# Altium PCB ISS_LAB_PCB.PcbDoc (part 3 of 8)
Units mm, origin at the board's own origin, x right, y up, seen from the top; angles counter-clockwise.
Board outline 247.67 x 135.97 mm, 2 copper layers (Top Layer, Bottom Layer); 165 components, 0 nets, 6045 pads, 3214 vias.
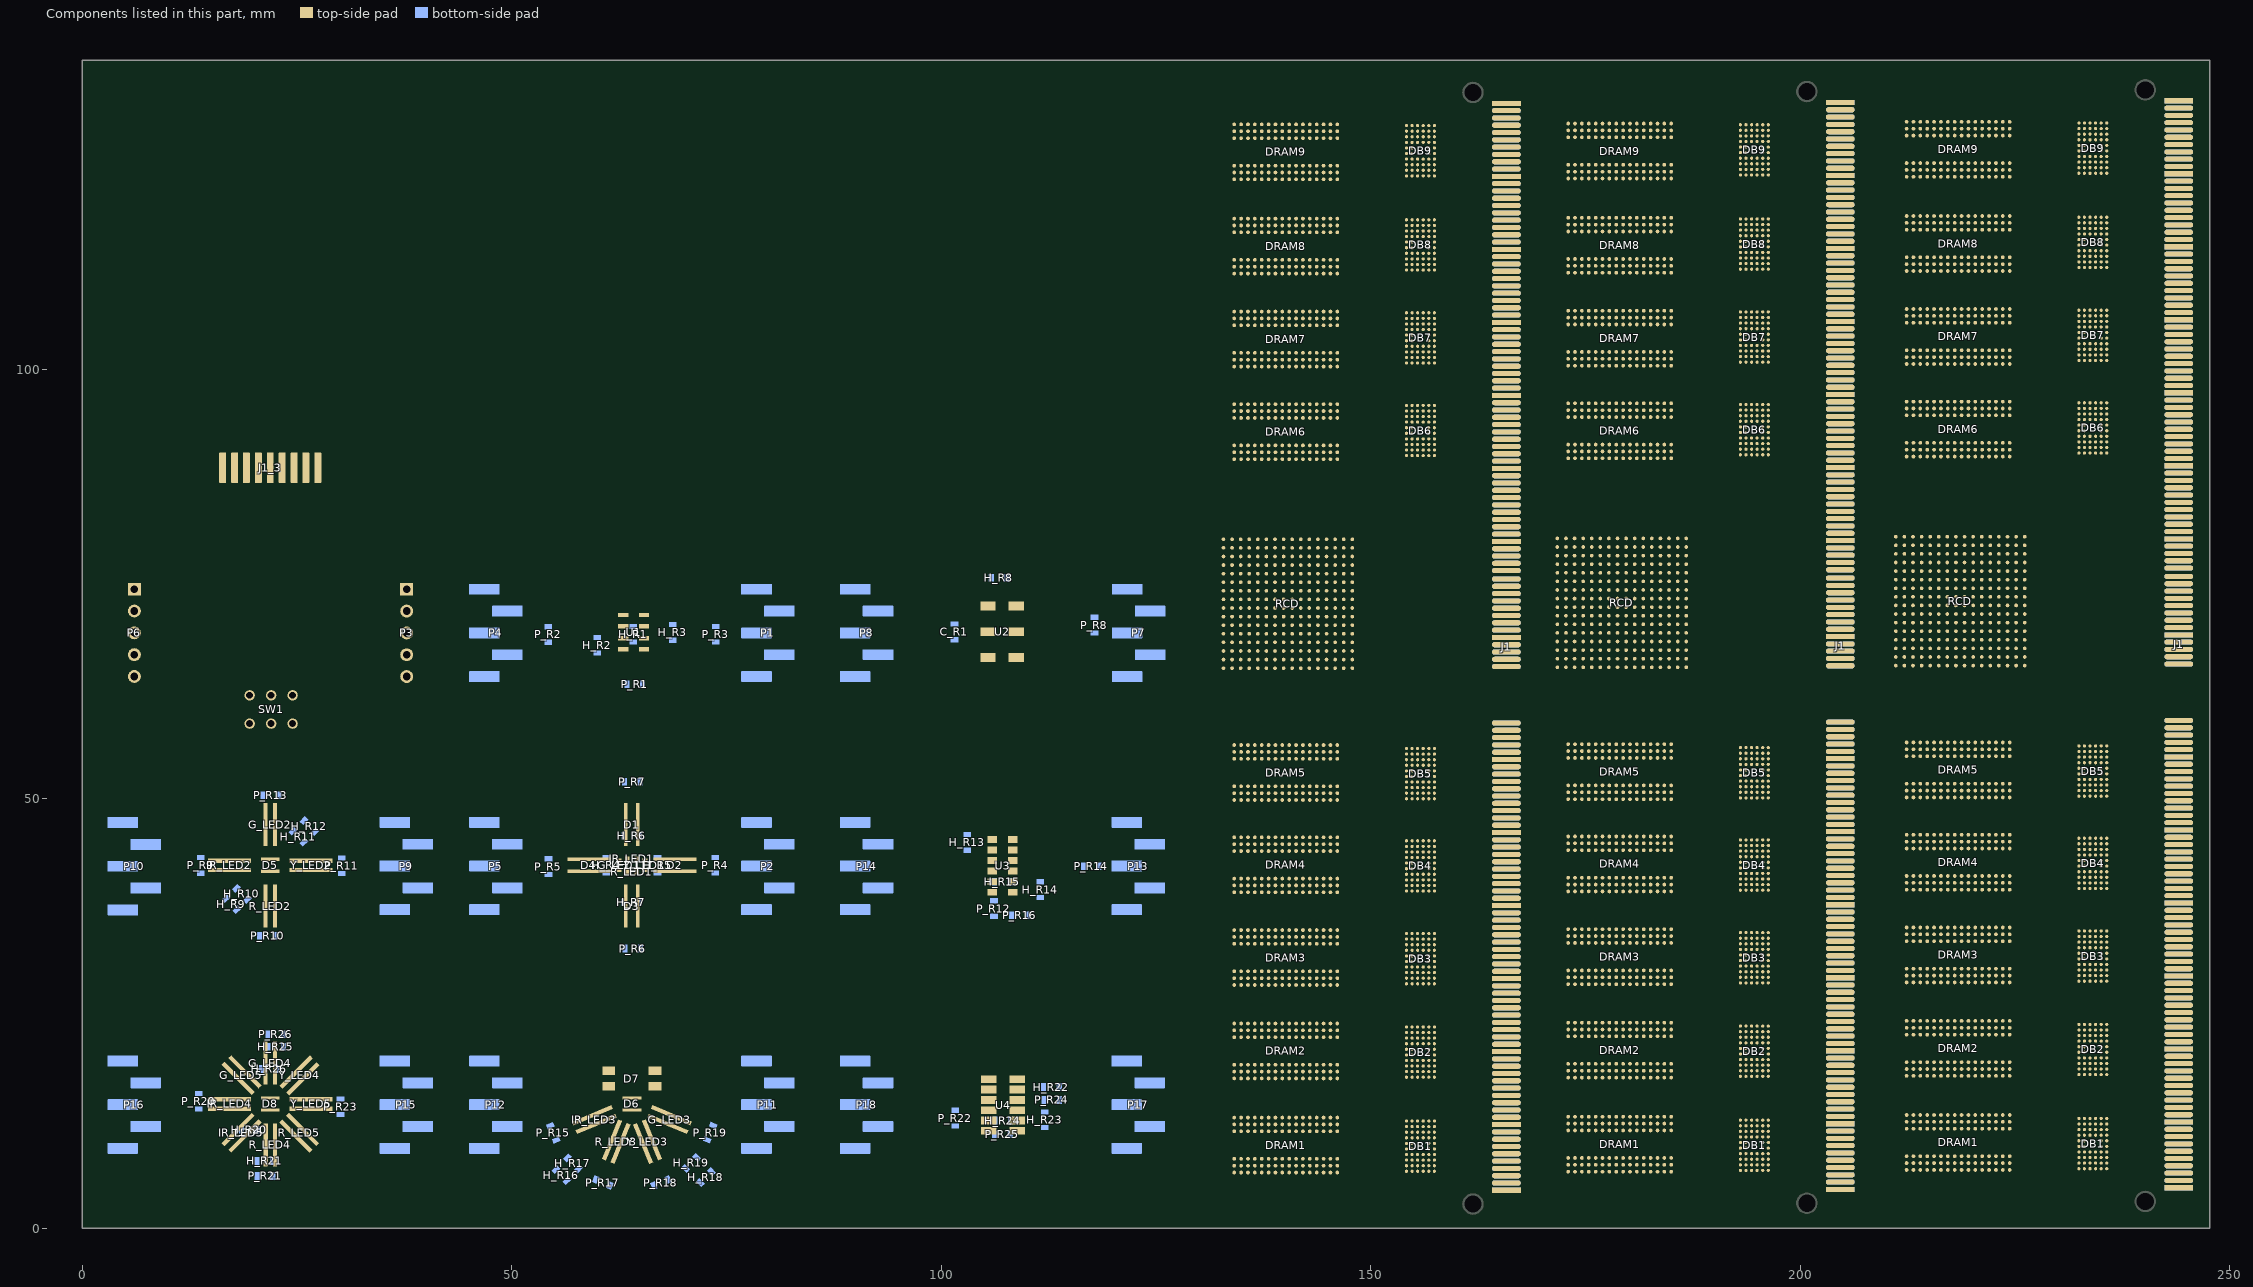
[diagram p3: the components of this part, seen from the top]

## Via types
v1: diameter 0.45, hole 0.203, Top Layer to Bottom Layer, 2685 vias
v2: diameter 1, hole 0.6, Top Layer to Bottom Layer, tented both sides, 414 vias
v3: diameter 0.6, hole 0.3, Top Layer to Bottom Layer, 52 vias
v4: diameter 0.6, hole 0.3, Top Layer to Bottom Layer, tented top, 33 vias
v5: diameter 0.8, hole 0.4, Top Layer to Bottom Layer, 21 vias
v6: diameter 3.5, hole 3.1, Top Layer to Bottom Layer, 3 vias
v7: diameter 2, hole 1.6, Top Layer to Bottom Layer, 3 vias
v8: diameter 1, hole 0.5, Top Layer to Bottom Layer, 3 vias

## Nets (pads, with @x,y where several pads share a name; then routed paths per layer and width w, separated by ;. In a path a pad name is that pad's centre, name@x,y a point inside that pad or via, vN(x,y) a via of type N, cw(c..) or ccw(c..) an arc to the next point about the centre after c; other vN are vias at no path point) (continued)
copper on no net: (continued)
  Top Layer w0.089: v1(131.939,79.864) 131.939,79.838 132.574,79.203 132.845,79.203 132.858,79.19 ; v1(131.964,80.956) 132.026,80.956 132.792,80.19 132.858,80.19 ; v1(132.904,81.108) 132.94,81.108 133.858,80.19 ; v1(132.904,94.316) 132.907,94.319 134.112,94.319 ; v1(132.929,105.111) 132.942,105.099 134.112,105.099 ; v1(132.929,115.932) 132.937,115.924 134.112,115.924 ; v1(132.955,126.93) 134.073,126.93 134.112,126.891 ; v1(133.006,11.284) 133.018,11.271 134.112,11.271 ; v1(133.006,22.206) 133.014,22.214 134.103,22.214 134.112,22.223 ; v1(133.006,33.077) 133.017,33.088 134.1,33.088 134.112,33.1 ; v1(133.006,43.897) 133.007,43.896 134.111,43.896 134.112,43.895 ; v1(133.361,79.711) 133.361,79.699 133.858,79.202 133.858,79.19 ; v1(133.412,95.129) 133.422,95.119 134.112,95.119 ; v1(133.412,105.924) 133.437,105.899 134.112,105.899 ; v1(133.412,116.719) 133.417,116.724 134.112,116.724 ; v1@133.413,127.691 134.112,127.691 ; v1(133.463,12.046) 133.475,12.058 134.099,12.058 134.112,12.071 ; v1(133.463,23.018) 133.465,23.021 134.11,23.021 134.112,23.023 ; v1(133.463,33.89) 133.468,33.895 134.107,33.895 134.112,33.9 ; v1(133.463,44.685) 133.468,44.69 134.107,44.69 134.112,44.695 ; v1(133.971,81.159) 133.971,81.118 134.858,80.231 134.858,80.19 ; v1(134.072,14.052) 134.502,13.623 134.502,12.505 134.912,12.095 134.912,12.071 ; v1@134.072,25 134.502,24.57 134.502,23.376 134.855,23.023 134.912,23.023 ; v1@134.098,35.947 134.504,35.541 134.504,34.308 134.912,33.9 ; v1(134.098,107.88) 134.098,107.804 134.526,107.376 134.526,106.284 134.91,105.899 134.912,105.899 ; v1(134.098,129.698) 134.098,129.546 134.526,129.118 134.526,128.128 134.912,127.741 134.912,127.691 ; 134.112,7.271 132.574,8.809 132.574,16.77 134.027,18.223 134.112,18.223 132.574,19.761 132.574,27.562 134.112,29.1 134.061,29.1 132.609,30.552 132.609,38.392 134.112,39.895 132.599,41.408 132.599,49.125 134.112,50.638 ; 134.112,54.638 134.11,54.64 133.007,54.64 v1(133.006,54.641) 133.006,57.639 139.991,64.624 141.292,64.624 141.858,65.19 ; 134.112,55.438 134.107,55.433 133.467,55.433 v1(133.463,55.429) 133.463,57.689 140.245,64.471 141.896,64.471 142.378,64.954 142.378,65.614 141.858,66.134 141.858,66.19 ; 134.112,122.891 132.447,121.226 132.447,113.589 134.112,111.924 132.533,110.345 132.533,103.995 132.548,103.979 132.548,102.698 134.112,101.135 134.112,101.099 132.548,99.535 132.548,91.883 134.112,90.319 134.088,90.319 133.488,89.719 133.488,88.169 140.422,81.235 140.422,79.864 140.651,79.635 141.388,79.635 141.833,79.19 141.858,79.19 ; v1(134.123,46.793) 134.123,46.31 134.504,45.929 134.504,45.04 134.849,44.695 134.912,44.695 ; v1@134.123,97.11 134.123,97.059 134.526,96.657 134.526,95.514 134.912,95.128 134.912,95.119 ; v1@134.149,118.7 134.498,118.35 134.498,117.157 134.912,116.743 134.912,116.724 ; v1(134.326,79.711) 134.332,79.711 134.853,79.19 134.858,79.19 ; v1(134.504,5.34) 134.504,6.889 134.886,7.271 134.912,7.271 ; v1(134.504,37.954) 134.504,39.452 134.912,39.86 134.912,39.895 ; v1(134.504,43.161) 134.504,43.487 134.912,43.895 ; v1(134.504,93.63) 134.53,93.656 134.53,93.961 134.888,94.319 134.912,94.319 ; v1(134.504,109.861) 134.504,111.512 134.912,111.92 134.912,111.924 ; v1(134.504,120.808) 134.504,122.485 134.91,122.891 134.912,122.891 ; v1(134.53,10.445) 134.912,10.828 134.912,11.271 ; v1(134.53,16.211) 134.53,17.259 134.526,17.263 134.526,17.583 134.53,17.587 134.53,17.888 134.865,18.223 134.912,18.223 ; v1(134.53,21.469) 134.53,21.841 134.912,22.223 ; v1(134.53,27.006) 134.53,28.136 134.526,28.14 134.526,28.46 134.53,28.464 134.53,28.718 134.912,29.1 ; v1(134.53,32.239) 134.53,32.797 134.832,33.1 134.912,33.1 ; v1@134.53,48.672 134.53,49.674 134.526,49.678 134.526,49.998 134.53,50.002 134.53,50.247 134.912,50.63 134.912,50.638 134.912,50.652 ; v1(134.53,54.006) 134.555,54.032 134.555,54.337 134.856,54.638 134.912,54.638 ; v1@134.53,99.041 v1(134.53,99.117) 134.53,100.135 134.526,100.139 134.526,100.459 134.53,100.463 134.53,100.692 134.912,101.074 134.912,101.099 ; v1(134.53,104.425) 134.53,104.73 134.898,105.099 134.912,105.099 ; v1(134.53,115.17) 134.53,115.576 134.878,115.924 134.912,115.924 ; v1(134.53,126.269) 134.631,126.269 134.885,126.523 134.885,126.864 134.912,126.891 ; 134.858,65.19 134.858,63.885 131.634,60.661 131.634,53.818 132.944,52.508 135.139,52.508 135.292,52.355 135.292,51.058 135.712,50.638 136.13,50.22 136.13,50.002 136.126,49.998 136.126,49.678 136.13,49.674 v1@136.13,48.723 ; 134.858,66.19 135.342,65.706 135.342,64.014 131.786,60.458 131.786,53.881 133.007,52.66 135.241,52.66 135.712,52.189 v1@135.712,52.152 ; v1@134.86,25 134.86,24.949 135.317,24.492 135.317,23.349 135.643,23.023 135.712,23.023 ; v1(134.86,46.793) 134.86,46.666 135.326,46.2 135.326,45.082 135.712,44.696 ; v1(134.86,107.88) 135.317,107.423 135.317,106.33 135.712,105.935 135.712,105.899 ; v1@134.885,97.136 134.885,97.085 135.317,96.653 135.317,95.51 135.708,95.119 135.712,95.119 ; v1(134.911,14.052) 135.317,13.646 135.317,12.503 135.712,12.108 135.712,12.071 ; v1(134.911,35.972) 135.298,35.585 135.298,34.238 135.637,33.9 135.712,33.9 ; v1(134.911,41.408) 134.911,40.696 134.912,40.695 ; v1(134.911,91.827) 134.912,91.826 134.912,91.119 ; v1(134.911,113.519) 134.912,113.517 134.912,112.724 ; v1(134.911,118.726) 135.317,118.319 135.317,117.151 135.712,116.756 135.712,116.724 ; v1@134.911,124.517 134.912,124.515 134.912,123.691 ; v1@134.911,129.673 134.911,129.597 135.317,129.19 135.317,128.124 135.712,127.729 135.712,127.691 ; 134.911,8.072 v1@134.911,8.819 ; 134.911,19.024 v1@134.911,19.792 ; 134.911,29.901 v1@134.911,30.739 ; 134.912,55.438 134.901,55.438 134.526,55.814 134.526,57.033 v1(134.072,57.486) 137.749,61.163 139.552,61.163 143.394,65.005 143.394,65.563 142.858,66.1 142.858,66.19 ; 134.912,90.319 134.876,90.319 134.555,89.998 134.555,89.709 134.526,89.679 134.526,89.359 134.555,89.329 v1(134.555,88.322) 134.555,88.296 141.302,81.549 141.302,80.076 141.632,79.746 142.302,79.746 142.858,79.19 ; 134.912,101.899 134.912,102.623 v1(134.936,102.647) ; v1@135.292,32.264 135.317,32.289 135.317,32.721 135.696,33.1 135.712,33.1 ; v1@135.292,48.698 135.292,49.434 135.695,49.838 135.712,49.838 ; v1@135.292,54.032 135.292,54.235 135.695,54.638 135.712,54.638 ; v1@135.292,109.886 135.292,110.699 135.712,111.12 135.712,111.124 ; v1@135.292,120.834 135.292,121.621 135.712,122.042 135.712,122.091 ; v1(135.317,5.34) 135.317,6 135.712,6.395 135.712,6.471 ; v1(135.317,10.445) 135.317,10.496 135.698,10.877 135.698,11.257 135.712,11.271 ; v1(135.317,16.211) 135.292,16.237 135.292,16.948 135.712,17.368 135.712,17.423 ; v1@135.317,21.494 135.317,21.799 135.712,22.194 135.712,22.223 ; v1(135.317,27.006) 135.317,27.905 135.712,28.3 ; v1@135.317,37.979 135.317,38.716 135.696,39.095 135.712,39.095 ; v1@135.317,43.186 135.342,43.211 135.342,43.542 135.696,43.895 135.712,43.895 ; v1@135.317,99.041 v1(135.317,99.117) 135.317,99.853 135.712,100.248 135.712,100.299 ; v1@135.317,104.451 135.317,104.73 135.686,105.099 135.712,105.099 ; v1@135.342,88.347 135.342,89.058 135.712,89.428 135.712,89.519 ; v1@135.342,93.656 135.342,93.961 135.701,94.319 135.712,94.319 ; v1@135.342,115.195 135.342,115.576 135.69,115.924 135.712,115.924 ; v1(135.342,126.269) 135.393,126.32 135.393,126.523 135.712,126.842 135.712,126.891 ; v1(135.393,79.699) 135.393,79.677 135.858,79.212 135.858,79.19 ; v1(135.673,35.972) 135.712,35.933 135.712,34.7 ; v1(135.673,46.793) 135.712,46.753 135.712,45.495 ; v1@135.698,25 135.712,24.986 135.712,23.823 ; v1(135.698,41.408) 135.712,41.394 135.712,40.695 ; v1@135.698,97.136 135.712,97.122 135.712,95.919 ; v1(135.698,102.647) 135.712,102.633 135.712,101.899 ; v1(135.698,107.88) 135.712,107.866 135.712,106.699 ; v1@135.698,118.7 135.712,118.686 135.712,117.524 ; v1(135.698,124.466) 135.712,124.452 135.712,123.691 ; v1@135.698,129.673 135.705,129.666 135.705,128.498 135.712,128.491 ; 135.712,7.271 135.712,7.206 136.13,6.788 136.13,6.635 136.126,6.631 136.126,6.311 136.13,6.307 v1(136.13,5.34) ; 135.712,8.071 135.718,8.077 135.718,8.814 v1(135.723,8.82) ; 135.712,12.871 135.718,12.877 135.718,14.047 v1(135.723,14.052) ; 135.712,18.223 135.712,18.153 136.13,17.735 136.13,17.587 136.126,17.583 136.126,17.263 136.13,17.259 v1(136.13,16.211) ; 135.712,19.023 135.718,19.029 135.718,19.787 v1(135.723,19.793) ; 135.712,29.1 136.13,28.683 136.13,28.464 136.126,28.46 136.126,28.14 136.13,28.136 v1(136.13,27.006) ; 135.712,29.9 135.718,29.906 135.718,30.734 v1(135.723,30.74) ; 135.712,39.895 136.104,39.503 v1@136.104,37.979 ; 135.712,51.438 135.712,52.115 v1(135.749,52.152) ; 135.712,55.438 135.712,55.466 135.317,55.861 135.317,57.054 134.911,57.461 v1(134.911,57.486) 138.365,60.941 140.499,60.941 144.258,64.7 144.258,65.79 143.858,66.19 ; 135.712,56.238 135.712,57.449 v1@135.723,57.461 ; 135.712,90.319 135.712,90.289 136.13,89.871 136.13,89.683 136.126,89.679 136.126,89.359 136.13,89.355 v1(136.13,88.322) 136.13,87.179 141.667,81.642 141.667,80.753 141.819,80.6 142.302,80.6 142.454,80.448 142.454,80.041 142.81,79.686 143.343,79.686 143.839,79.19 143.858,79.19 ; 135.712,91.119 135.723,91.13 v1(135.723,91.827) ; 135.712,101.099 135.712,101.033 136.104,100.641 v1(136.104,99.117) v1@136.104,99.041 ; 135.712,111.924 135.712,111.904 136.104,111.512 v1@136.104,109.912 ; 135.712,112.724 135.712,113.507 v1(135.723,113.519) ; 135.712,122.891 135.724,122.891 136.104,122.51 136.104,120.91 v1@136.13,120.885 ; 135.858,65.19 135.858,64.276 131.939,60.356 131.939,53.944 133.07,52.813 135.466,52.813 136.104,52.174 136.104,51.111 136.512,50.703 136.512,50.638 136.917,50.233 v1@136.917,48.647 ; 135.858,66.19 136.282,65.766 136.282,64.395 132.091,60.204 132.091,54.007 133.133,52.965 135.698,52.965 v1(136.511,52.152) 136.512,52.151 136.512,51.438 ; 135.858,80.19 136.46,80.792 v1(136.46,81.108) ; v1@136.079,32.289 136.104,32.315 136.104,32.721 136.483,33.1 136.512,33.1 ; v1@136.104,93.656 136.104,93.961 136.463,94.319 136.512,94.319 ; v1@136.104,126.346 136.13,126.371 136.13,126.6 136.421,126.891 136.512,126.891 ; v1(136.13,10.445) 136.512,10.828 136.512,11.271 ; v1@136.13,21.494 136.13,21.841 136.512,22.223 ; v1@136.13,43.211 136.13,43.567 136.458,43.895 136.512,43.895 ; v1@136.13,104.451 136.13,104.781 136.448,105.099 136.512,105.099 ; v1@136.181,115.22 136.155,115.246 136.155,115.652 136.427,115.924 136.512,115.924 ; v1(136.308,79.711) 136.322,79.711 136.843,79.19 136.858,79.19 ; v1(136.46,35.972) 136.46,35.795 136.102,35.437 136.102,34.324 136.512,33.914 136.512,33.9 ; v1(136.485,8.82) 136.499,8.807 136.499,8.084 136.512,8.071 ; v1(136.485,14.052) 136.126,13.692 136.126,12.482 136.512,12.095 136.512,12.071 ; v1(136.485,19.793) 136.499,19.779 136.499,19.036 136.512,19.023 ; v1(136.485,30.765) 136.499,30.752 136.499,29.913 136.512,29.9 ; v1(136.485,46.793) 136.485,46.59 136.126,46.23 136.126,45.019 136.45,44.695 136.512,44.695 ; v1@136.485,97.136 136.098,96.749 136.098,95.567 136.512,95.153 136.512,95.119 ; v1(136.511,25.025) 136.102,24.616 136.102,23.453 136.512,23.043 136.512,23.023 ; v1@136.511,41.383 136.511,40.696 136.512,40.695 ; v1@136.511,57.435 136.126,57.05 136.126,55.839 136.512,55.453 136.512,55.438 ; v1(136.511,57.486) 139.762,60.737 141.642,60.737 145.302,64.398 145.302,65.746 144.858,66.19 ; v1(136.511,91.802) 136.512,91.8 136.512,91.119 ; v1@136.511,102.622 136.512,102.621 136.512,101.899 ; v1@136.511,107.854 136.511,107.829 136.126,107.444 136.126,106.284 136.51,105.899 136.512,105.899 ; v1(136.511,113.519) 136.512,113.517 136.512,112.724 ; v1@136.511,118.7 136.104,118.294 136.104,117.176 136.512,116.769 136.512,116.724 ; v1@136.511,124.491 136.512,124.49 136.512,123.691 ; 136.512,7.271 136.512,7.193 136.917,6.788 136.917,5.365 v1(136.943,5.34) ; 136.512,18.223 136.512,18.14 136.943,17.71 136.943,17.6 136.926,17.583 136.926,17.263 136.943,17.246 v1(136.943,16.211) ; 136.512,29.1 136.917,28.695 136.917,27.032 v1(136.943,27.006) ; 136.512,39.895 136.512,39.832 136.917,39.427 v1@136.917,38.004 ; 136.512,90.319 136.52,90.319 136.943,89.897 136.943,89.696 136.926,89.679 136.926,89.359 136.943,89.342 v1@136.943,88.347 ; 136.512,101.099 136.512,101.071 136.917,100.666 v1(136.917,99.117) v1@136.917,99.091 ; 136.512,111.924 136.512,111.917 136.917,111.512 136.917,109.963 v1@136.943,109.937 ; 136.512,122.891 136.536,122.891 136.943,122.485 136.943,122.268 136.926,122.251 136.926,121.931 136.943,121.914 v1@136.943,120.885 ; 136.512,127.691 136.098,128.105 136.098,129.21 v1@136.536,129.648 ; 136.858,65.19 136.858,64.615 132.244,60.001 132.244,54.07 133.196,53.117 135.923,53.117 136.866,52.174 136.866,51.084 137.312,50.638 137.73,50.22 137.73,50.003 137.726,49.998 137.726,49.678 137.73,49.673 v1@137.73,48.672 ; 136.858,66.19 137.374,65.674 137.374,64.827 132.396,59.848 132.396,54.133 133.26,53.27 136.155,53.27 v1(137.273,52.152) 137.312,52.113 137.312,51.438 ; 136.858,80.19 136.858,80.276 137.628,81.046 v1(137.628,81.108) ; v1@136.892,54.057 136.892,54.218 137.312,54.638 ; v1@136.892,93.656 136.917,93.681 136.917,94.011 137.225,94.319 137.312,94.319 ; v1@136.917,21.52 136.917,21.875 137.265,22.223 137.312,22.223 ; v1@136.917,126.346 136.943,126.371 136.943,126.574 137.259,126.891 137.312,126.891 ; v1(136.943,10.445) 137.312,10.815 137.312,11.271 ; v1@136.943,32.315 136.943,32.721 137.312,33.091 137.312,33.1 ; v1@136.943,43.237 136.943,43.516 137.312,43.886 137.312,43.895 ; v1(136.943,88.322) 136.943,87.458 142.442,81.959 142.442,81.35 143.318,80.473 143.318,80.067 143.699,79.686 143.978,79.686 144.41,79.254 144.794,79.254 144.858,79.19 ; v1@136.943,104.476 136.943,104.806 137.235,105.099 137.312,105.099 ; v1@136.968,115.246 136.968,115.627 137.265,115.924 137.312,115.924 ; v1@137.273,102.622 137.273,101.938 137.312,101.899 ; v1@137.273,118.7 136.898,118.326 136.898,117.195 137.312,116.781 137.312,116.724 ; v1(137.298,8.82) 137.305,8.813 137.305,8.078 137.312,8.071 ; v1(137.298,14.052) 136.902,13.656 136.902,12.518 137.312,12.108 137.312,12.071 ; v1(137.298,19.793) 137.305,19.786 137.305,19.03 137.312,19.023 ; v1(137.298,30.765) 137.305,30.759 137.305,29.907 137.312,29.9 ; v1@137.298,41.383 137.312,41.369 137.312,40.695 ; v1@137.298,46.767 137.298,46.717 136.926,46.344 136.926,45.057 137.288,44.695 137.312,44.695 ; v1@137.298,57.41 136.917,57.029 136.917,55.835 137.312,55.44 137.312,55.438 ; v1(137.298,57.486) 140.27,60.458 142.632,60.458 146.366,64.192 146.366,65.682 145.858,66.19 ; v1(137.298,107.88) 136.917,107.499 136.917,106.33 137.312,105.936 137.312,105.899 ; v1(137.298,113.519) 137.298,112.738 137.312,112.724 ; v1(137.298,124.466) 137.312,124.452 137.312,123.691 ; 137.312,7.271 137.679,6.904 137.679,6.65 137.698,6.631 137.698,6.311 137.679,6.292 v1(137.679,5.34) ; 137.312,12.871 137.372,12.931 137.372,13.262 v1(138.162,14.052) ; 137.312,18.223 137.679,17.856 137.679,17.602 137.698,17.583 137.698,17.263 137.679,17.244 v1(137.679,16.211) ; 137.312,23.023 137.312,23.03 136.902,23.44 136.902,24.578 v1@137.324,25 ; 137.312,23.823 138.111,24.622 v1@138.111,25 ; 137.312,29.1 137.705,28.707 137.705,27.032 v1(137.679,27.006) ; 137.312,33.9 137.288,33.9 136.917,34.271 136.917,35.464 137.324,35.871 v1@137.324,35.947 ; 137.312,34.7 137.312,35.173 v1@138.086,35.947 ; 137.312,39.895 137.312,39.819 137.705,39.427 v1@137.705,38.004 ; 137.312,45.495 138.187,46.37 v1@138.187,46.767 ; 137.312,56.238 137.312,56.586 v1@138.136,57.41 ; 137.312,90.319 137.312,90.264 137.755,89.82 137.755,89.709 137.726,89.679 137.726,89.359 137.755,89.329 v1@137.755,88.373 ; 137.312,91.119 137.349,91.156 v1(137.349,91.802) ; 137.312,95.119 137.308,95.119 136.926,95.502 136.926,96.712 137.324,97.11 v1@137.324,97.136 ; 137.312,95.919 137.312,96.362 v1(138.111,97.161) ; 137.312,101.099 137.348,101.099 137.73,100.717 137.73,100.464 137.726,100.459 137.726,100.139 137.73,100.134 v1(137.73,99.117) v1@137.73,99.091 ; 137.312,106.699 137.312,107.055 v1@138.111,107.854 ; 137.312,111.924 137.343,111.924 137.73,111.537 137.73,111.289 137.726,111.284 137.726,110.964 137.73,110.959 v1@137.73,109.963 ; 137.312,117.524 137.312,117.901 v1@138.111,118.7 ; 137.312,122.891 137.349,122.891 137.73,122.51 137.73,122.256 137.726,122.251 137.726,121.931 137.73,121.926 v1@137.73,120.885 ; 137.312,127.691 137.312,127.703 136.926,128.09 136.926,129.224 v1@137.324,129.622 ; 137.312,128.491 137.312,128.798 v1@138.136,129.622 ; v1(137.374,79.711) 137.374,79.692 137.858,79.209 137.858,79.19 ; v1(137.679,10.445) 138.112,10.878 138.112,11.271 ; v1@137.705,21.545 137.705,21.799 138.112,22.207 138.112,22.223 ; v1@137.705,43.288 137.705,43.516 138.083,43.895 138.112,43.895 ; v1@137.705,54.032 137.73,54.057 137.73,54.26 138.108,54.638 138.112,54.638 ; v1@137.705,93.681 137.705,93.961 138.063,94.319 138.112,94.319 ; v1@137.73,32.315 137.73,32.721 138.109,33.1 138.112,33.1 ; v1@137.73,104.476 137.73,104.756 138.073,105.099 138.112,105.099 ; v1@137.73,126.32 137.755,126.346 137.755,126.6 138.047,126.891 138.112,126.891 ; v1(137.755,88.322) 137.755,87.204 143.991,80.969 143.991,80.668 144.41,80.248 144.41,79.908 144.455,79.864 144.461,79.864 144.664,79.66 145.401,79.66 145.858,79.203 145.858,79.19 ; v1@137.755,115.297 137.781,115.322 137.781,115.652 138.053,115.924 138.112,115.924 ; 137.858,65.19 137.858,64.904 132.548,59.594 132.548,54.223 133.349,53.422 136.384,53.422 137.705,52.101 137.705,51.136 138.112,50.729 138.112,50.638 138.112,50.576 138.517,50.171 138.517,48.672 v1@138.543,48.647 ; 137.858,66.19 138.289,65.759 138.289,64.979 132.739,59.429 132.739,54.248 133.412,53.575 136.689,53.575 138.087,52.177 138.112,52.177 138.112,51.438 ; 137.858,80.19 137.906,80.19 138.799,81.083 v1(138.848,81.083) ; v1(138.086,91.802) 138.112,91.775 138.112,91.119 ; v1@138.086,102.622 138.086,101.925 138.112,101.899 ; v1@138.086,113.544 v1(138.086,113.519) 138.086,112.75 138.112,112.724 ; v1@138.111,41.383 138.112,41.382 138.112,40.695 ; v1(138.111,124.466) 138.112,124.465 138.112,123.691 ; 138.112,7.271 138.112,7.244 138.543,6.813 138.543,6.648 138.526,6.631 138.526,6.311 138.543,6.294 v1(138.543,5.34) ; 138.112,8.071 138.137,8.096 138.137,8.795 v1(138.162,8.82) ; 138.112,12.071 138.517,11.666 138.517,10.471 v1(138.543,10.445) ; 138.112,18.223 138.112,18.166 138.543,17.735 138.543,17.6 138.526,17.583 138.526,17.263 138.543,17.246 v1(138.543,16.211) ; 138.112,19.023 138.137,19.048 138.137,19.768 v1(138.162,19.793) ; 138.112,23.023 138.517,22.618 138.517,21.596 v1@138.492,21.571 ; 138.112,29.1 138.543,28.669 138.543,28.477 138.526,28.46 138.526,28.14 138.543,28.123 v1(138.543,27.006) ; 138.112,29.9 138.137,29.925 138.137,30.741 v1(138.162,30.765) ; 138.112,33.9 138.112,33.838 138.517,33.432 v1@138.517,32.34 ; 138.112,39.895 138.125,39.895 138.543,39.478 138.543,39.272 138.526,39.255 138.526,38.935 138.543,38.918 v1@138.543,38.03 ; 138.112,44.695 138.112,44.633 138.543,44.202 138.543,44.072 138.526,44.055 138.526,43.735 138.543,43.718 v1@138.543,43.313 ; 138.112,55.438 138.112,55.377 138.517,54.972 v1@138.517,54.032 ; 138.112,90.319 138.589,89.842 138.502,89.754 v1(138.502,88.313) 144.74,82.075 144.74,80.979 145.401,80.319 145.401,80.041 145.731,79.711 146.337,79.711 146.858,79.19 ; 138.112,95.119 138.112,95.103 138.517,94.697 v1@138.517,93.707 ; 138.112,101.099 138.112,101.097 138.492,100.717 138.492,100.466 138.498,100.459 138.498,100.139 138.492,100.132 v1(138.492,99.117) v1@138.492,99.091 ; 138.112,105.899 138.112,105.847 138.492,105.467 138.492,105.266 138.498,105.259 138.498,104.939 138.492,104.932 v1@138.492,104.502 ; 138.112,111.924 138.112,111.917 138.492,111.537 138.492,111.291 138.498,111.284 138.498,110.964 138.492,110.957 v1@138.492,109.937 ; 138.112,116.724 138.112,116.693 138.517,116.287 v1@138.517,115.322 ; 138.112,122.891 138.112,122.865 138.517,122.459 v1@138.517,120.885 ; 138.112,127.691 138.517,127.285 138.517,126.346 v1@138.543,126.32 ; v1(138.39,79.737) 138.39,79.697 138.858,79.23 138.858,79.19 ; v1(138.416,71.736) 139.404,71.736 139.858,72.19 ; 138.858,80.19 139.483,80.815 v1(139.483,81.083) ; v1(138.873,8.82) 138.892,8.8 138.892,8.091 138.912,8.071 ; v1(138.873,14.052) 138.517,13.697 